# KiCad board Lab2_Final .kicad_pcb
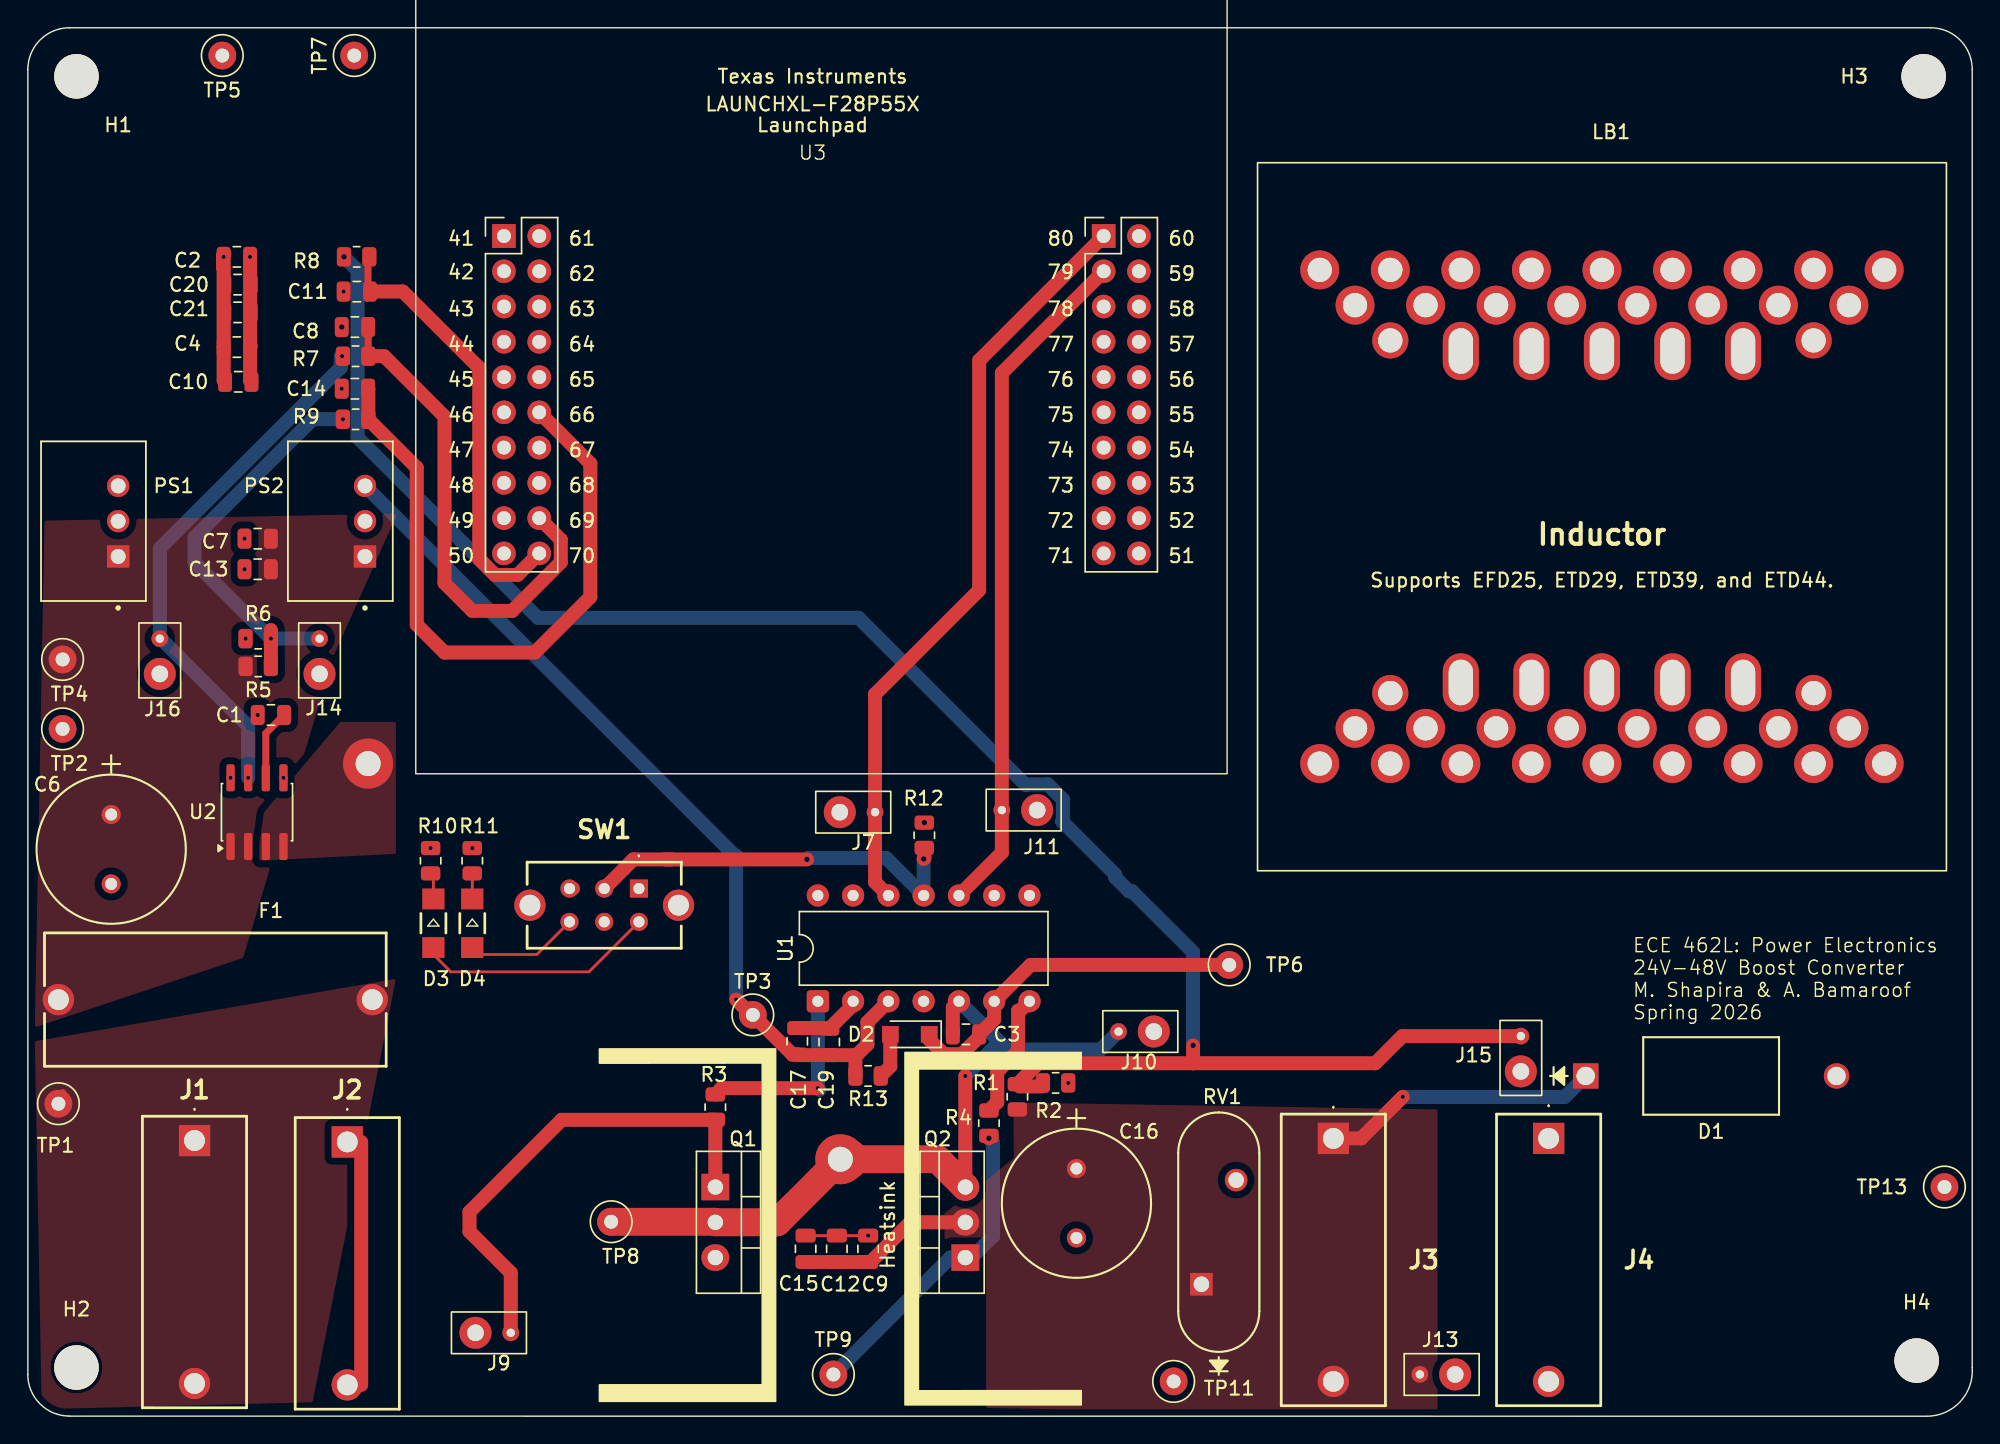
[diagram p0: board, top side]
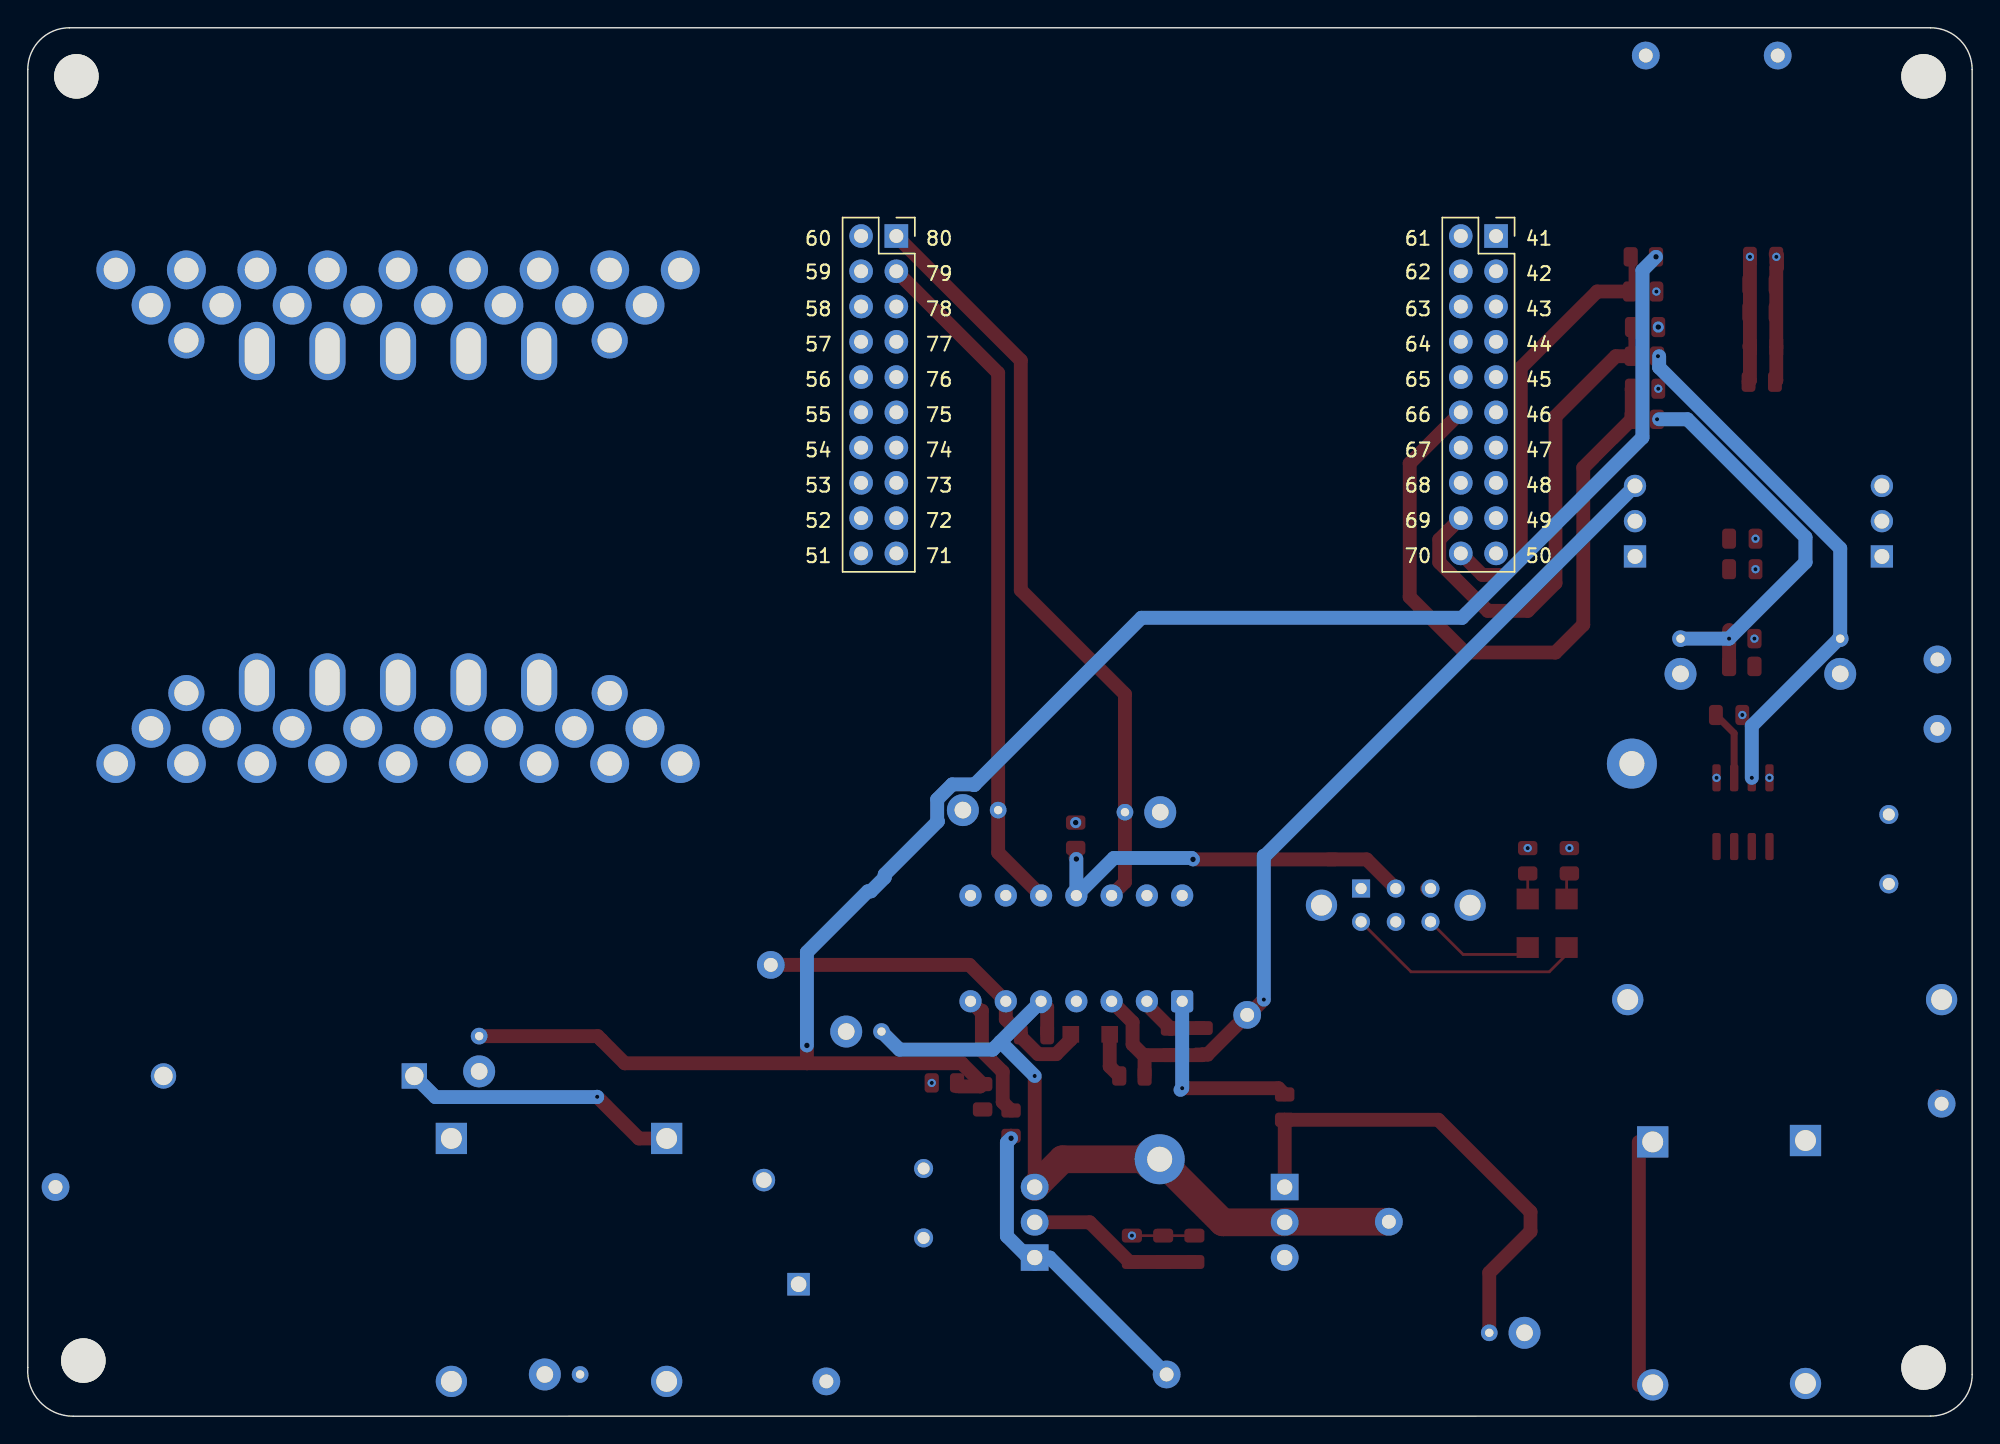
[diagram p1: board, bottom side, seen from below]

Outline 140.01 x 100.01 mm; copper layers: Top, In1.Cu, In2.Cu, Bottom. Coordinates in mm from the lower left corner of the outline.
Outline path: 0.01,3.01 0.01,97.01 arc(0.88,99.13) 3.01,100.01 137.01,100.01 arc(139.13,99.13) 140.01,97.01 140.01,3.51 arc(139.14,1.04) 136.74,0 3.01,0.01 arc(0.88,0.89) 0,3.01
Stack: Top 0.035mm / dielectric 0.1mm FR4 er 4.5 / In1.Cu 0.035mm / dielectric 1.24mm FR4 er 4.5 / In2.Cu 0.035mm / dielectric 0.1mm FR4 er 4.5 / Bottom 0.035mm

## Placement (name value [footprint] x y rotation side)
C1  100pF  [C_0805_2012Metric]  17.51 50.51 180 top
C2  0.1μF  [C_0805_2012Metric]  15.06 83.51 0 top
C3  4.7μF  [C_0805_2012Metric]  67.56 27.51 180 top
C4  0.1μF  [C_0805_2012Metric]  15.06 77.01 0 top
C6  100uF  [16PX2200MEFC10X20]  6.01 43.34 270 top
C7  10uF  [C_0805_2012Metric]  16.56 63.21 180 top
C8  100pF  [C_0805_2012Metric]  23.56 78.45 180 top
C9  0.01μF  [C_0805_2012Metric]  60.51 12.06 90 top
C10  10uF  [C_0805_2012Metric]  15.16 74.51 0 top
C11  100pF  [C_0805_2012Metric]  23.69 81.01 180 top
C12  0.1μF  [C_0805_2012Metric]  58.26 12.06 90 top
C13  10uF  [C_0805_2012Metric]  16.56 61.01 180 top
C14  100pF  [C_0805_2012Metric]  23.56 74.01 180 top
C15  1μF  [C_0805_2012Metric]  56.01 12.06 90 top
C16  100uF  [16PX2200MEFC10X20]  75.51 17.84 270 top
C17  10uF  [C_0805_2012Metric]  55.41 27.01 90 top
C19  1μF  [C_0805_2012Metric]  57.71 26.96 90 top
C20  0.1μF  [C_0805_2012Metric]  15.11 81.51 0 top
C21  1μF  [C_0805_2012Metric]  15.11 79.51 0 top
D1  D_Zener  [1.5KE75A]  112.17 24.51 0 top
D2  PMEG10020ELR  [Nexperia_CFP3_SOD-123W]  63.51 27.51 180 top
D3  RED LED  [WL-SMRW_1206_REC]  29.21 35.51 270 top
D4  GREEN LED  [WL-SMRW_1206_REC]  32.01 35.51 270 top
F1  Fuse  [696108003002]  13.51 30.01 180 top
H1  MountingHole  [MountingHole_3.2mm_M3]  3.51 96.51 0 top
H2  MountingHole  [MountingHole_3.2mm_M3]  3.51 3.51 0 top
H3  MountingHole  [MountingHole_3.2mm_M3]  136.51 96.51 0 top
H4  MountingHole  [MountingHole_3.2mm_M3]  136.01 4.01 0 top
HS1  Heatsink  [HSS-B20-NPS-01]  69.51 13.51 270 top
HS2  Heatsink  [HSS-B20-NPS-01]  47.51 13.76 90 top
J1  -  [973582101]  12.01 19.86 270 top
J2  -  [973582100]  23.01 19.76 270 top
J3  -  [973582101]  94.01 20.01 270 top
J4  -  [973582100]  109.51 20.01 270 top
J5  Conn_01x01  [Inductor_wire_conn]  58.51 18.51 0 top
J6  Conn_01x01  [Inductor_wire_conn]  24.51 47.01 0 top
J7  Conn_01x02  [TP]  59.74 43.51 180 top
J9  Conn_01x02  [TP]  33.51 6.01 180 top
J10  Conn_01x02  [TP]  79.81 27.71 0 top
J11  Conn_01x02  [TP]  71.41 43.66 0 top
J13  Conn_01x02  [TP]  101.51 3.01 0 top
J14  Conn_01x02  [TP]  21.01 54.74 270 top
J15  Conn_01x02  [TP]  107.51 26.11 270 top
J16  Conn_01x02  [TP]  9.51 54.74 270 top
LB1  ~  [InductorBobbin]  113.35 64.79 0 top
PS1  -  [R-78K3.3-1.0]  4.73 64.47 90 top
PS2  -  [R-78K12-0.5]  22.51 64.47 90 top
Q1  NMOS  [TO-220-3_Vertical]  49.51 16.51 270 top
Q2  NMOS  [TO-220-3_Vertical]  67.51 11.43 90 top
R1  82.5k  [R_0805_2012Metric]  71.26 23.01 90 top
R2  3.3k  [R_0805_2012Metric]  74.01 24.01 0 top
R3  1  [R_0805_2012Metric]  49.51 22.26 90 top
R4  1  [R_0805_2012Metric]  69.21 21.11 90 top
R5  30.1k  [R_0805_2012Metric]  16.59 54.01 0 top
R6  3.3k  [R_0805_2012Metric]  16.59 56.01 180 top
R7  3.3k  [R_0805_2012Metric]  23.61 76.35 180 top
R8  3.3k  [R_0805_2012Metric]  23.68 83.51 180 top
R9  3.3k  [R_0805_2012Metric]  23.61 71.81 180 top
R10  3.3k  [R_0805_2012Metric]  29.01 40.01 90 top
R11  3.3k  [R_0805_2012Metric]  32.01 40.01 90 top
R12  3.3k  [R_0805_2012Metric]  64.55 41.85 90 top
R13  6  [R_0805_2012Metric]  60.51 24.51 180 top
RV1  Varistor  [V100ZA15P]  84.51 9.51 90 top
SW1  SW_Push_DPDT  [SLW1116297AD]  44.01 38.01 180 top
TP1  TestPoint  [TestPoint_Loop_D1.80mm_Drill1.0mm_Beaded]  2.21 22.51 0 top
TP2  TestPoint  [TestPoint_Loop_D1.80mm_Drill1.0mm_Beaded]  2.51 49.51 0 top
TP3  TestPoint  [TestPoint_Loop_D1.80mm_Drill1.0mm_Beaded]  52.21 28.91 0 top
TP4  TestPoint  [TestPoint_Loop_D1.80mm_Drill1.0mm_Beaded]  2.51 54.51 0 top
TP5  TestPoint  [TestPoint_Loop_D1.80mm_Drill1.0mm_Beaded]  14.01 98.01 90 top
TP6  TestPoint  [TestPoint_Loop_D1.80mm_Drill1.0mm_Beaded]  86.51 32.51 0 top
TP7  TestPoint  [TestPoint_Loop_D1.80mm_Drill1.0mm_Beaded]  23.51 98.01 90 top
TP8  TestPoint  [TestPoint_Loop_D1.80mm_Drill1.0mm_Beaded]  42.01 14.01 0 top
TP9  TestPoint  [TestPoint_Loop_D1.80mm_Drill1.0mm_Beaded]  58.01 3.01 0 top
TP11  TestPoint  [TestPoint_Loop_D1.80mm_Drill1.0mm_Beaded]  82.51 2.51 0 top
TP13  TestPoint  [TestPoint_Loop_D1.80mm_Drill1.0mm_Beaded]  138.01 16.51 0 top
U1  IR2010  [DIP-14_W7.62mm]  56.89 29.89 90 top
U2  CT416-HSN820DR  [SOIC-8_3.9x4.9mm_P1.27mm]  16.51 43.51 90 top
U3  -  [LAUNCHXL-F28P55X_BottomHalf]  57.15 105.33 0 top

## Library data of the parts
C1 C2 C7 C8 C10 C11 C13 C14 C17 = -: Description: Unpolarized capacitor, small symbol; ki_fp_filters: C_*
C3 = -: Description: Cboot; ki_fp_filters: C_*
C4 = -: Description: Cbypass; ki_fp_filters: C_*
C6 C16 = -: Description: Polarized capacitor, US symbol; ki_fp_filters: CP_*
C9 C12 C15 C19-C21 = -: ki_fp_filters: C_*
D1 = -: ki_fp_filters: TO-???* *_Diode_* *SingleDiode* D_*
D2 = -: Datasheet: kicad-embed://PMEG10020ELR.pdf; Description: boostrap diode; ki_fp_filters: Nexperia*CFP3*SOD?123W*
D3 = -: Description: SHUTDOWN; ki_fp_filters: LED* LED_SMD:* LED_THT:*
D4 = -: Description: SWITCHING; ki_fp_filters: LED* LED_SMD:* LED_THT:*
F1 = -: ki_fp_filters: *Fuse*
H1-H4 = -: Description: Mounting Hole without connection; ki_fp_filters: MountingHole*
HS1 HS2 = -: Datasheet: kicad-embed://hss-b20-npx-01.pdf; ki_fp_filters: Heatsink_*
J1 J3 = -: Description: Generic connector, single row, 01x01, script generated (kicad-library-utils/schlib/autogen/connector/); Color: RED; ki_fp_filters: Connector*:*_1x??_*
J2 J4 = -: Description: Generic connector, single row, 01x01, script generated (kicad-library-utils/schlib/autogen/connector/); Color: BLACK; ki_fp_filters: Connector*:*_1x??_*
J5 J6 = -: Description: Generic connector, single row, 01x01, script generated (kicad-library-utils/schlib/autogen/connector/); ki_fp_filters: Connector*:*_1x??_*
J7 J9-J11 J13-J16 = -: Description: Generic connector, single row, 01x02, script generated (kicad-library-utils/schlib/autogen/connector/); ki_fp_filters: Connector*:*_1x??_*
PS1 = -: Datasheet: kicad-embed://R-78K-1.0.pdf; PARTREV: 6; STANDARD: Manufacturer Recommendations; MAXIMUM_PACKAGE_HEIGHT: 10.40mm; MANUFACTURER: RECOM
PS2 = -: Datasheet: kicad-embed://R-78K-0.5.pdf; ki_fp_filters: R-78E-0.5_RCP
Q1 Q2 = -: Description: N-MOSFET transistor, gate/drain/source; Sim.Type: VDMOS; Sim.Pins: 1=D 2=G 3=S
R1 R2 R5 R6 R10 R11 = -: ki_fp_filters: R_*
R3 R4 = -: Description: gate resistor; ki_fp_filters: R_*
R7-R9 R12 R13 = -: Description: Resistor, small symbol; ki_fp_filters: R_*
RV1 = -: Sim.Name: kicad_builtin_varistor; Sim.Device: SUBCKT; Sim.Pins: 1=A 2=B; Sim.Params: threshold=1k; ki_fp_filters: RV_* Varistor*
TP1-TP9 TP11 TP13 = -: ki_fp_filters: Pin* Test*
U1 = -: Datasheet: kicad-embed://infineon-ir2010-ds-en.pdf; Description: High and Low Side Driver, 200V, 3.0/3.0A, PDIP-14; ki_fp_filters: DIP*W7.62mm*
U2 = -: Datasheet: kicad-embed://CT416-Datasheet.pdf

## Footprints (pads in the part's own frame, mm; a bottom-side part is the same pattern mirrored in y, then rotated)
1.5KE75A
  rect 1.829x1.829 hole 1.321: 1(0,0)
  round 1.829 hole 1.321: 2(18.059,0)
16PX2200MEFC10X20
  round 1.372 hole 0.864: 1(0,0) 2(5,0)
973582100
  rect 2.25x2.25 hole 1.5: 1(0,0)
  round 2.25 hole 1.5: 1(17.5,0)
973582101
  rect 2.25x2.25 hole 1.5: 1(0,0)
  round 2.25 hole 1.5: 1(17.5,0)
696108003002
  round 2.25 hole 1.5: 1(-11.3,0) 2(11.3,0)
C_0805_2012Metric
  rrect 1x1.45 smd: 1(-0.95,0) 2(0.95,0)
DIP-14_W7.62mm
  rrect 1.6x1.6 hole 0.8: 1(0,0)
  round 1.6 hole 0.8: 2(0,-2.54) 3(0,-5.08) 4(0,-7.62) 5(0,-10.16) 6(0,-12.7) 7(0,-15.24) 8(7.62,-15.24) 9(7.62,-12.7) 10(7.62,-10.16) 11(7.62,-7.62) 12(7.62,-5.08) 13(7.62,-2.54) 14(7.62,0)
Inductor_wire_conn
  round 3.6 hole 1.8: 1(0,0)
InductorBobbin
  round 2.8 hole 1.75: (-20.32,17.78) (-20.32,-17.78) (-17.78,15.24) (-17.78,-15.24) (-15.24,17.78) (-15.24,-17.78) (-12.7,15.24) (-12.7,-15.24) (-10.16,17.78) (-10.16,-17.78) (-7.62,15.24) (-7.62,-15.24) (-5.08,17.78) (-5.08,-17.78) (-2.54,15.24) (-2.54,-15.24) (0,17.78) (0,-17.78) (2.54,15.24) (2.54,-15.24) (5.08,17.78) (5.08,-17.78) (7.62,15.24) (7.62,-15.24) (10.16,17.78) (10.16,-17.78) (12.7,15.24) (12.7,-15.24) (15.24,17.78) (15.24,-17.78) (17.78,15.24) (17.78,-15.24) (20.32,17.78) (20.32,-17.78)
  round 2.6 hole 1.75: (-15.24,12.7) (-15.24,-12.7) (15.24,12.7) (15.24,-12.7)
  oval 2.6x4.2 hole 1.75x3.28: (-10.16,11.938) (-10.16,-11.938) (-5.08,11.938) (-5.08,-11.938) (0,11.938) (0,-11.938) (5.08,11.938) (5.08,-11.938) (10.16,11.938) (10.16,-11.938)
LAUNCHXL-F28P55X_BottomHalf
  rect 1.7x1.7 hole 1: 41(-22.86,-20.32) 80(20.32,-20.32)
  oval 1.7x1.7 hole 1: 42(-22.86,-22.86) 43(-22.86,-25.4) 44(-22.86,-27.94) 45(-22.86,-30.48) 46(-22.86,-33.02) 47(-22.86,-35.56) 48(-22.86,-38.1) 49(-22.86,-40.64) 50(-22.86,-43.18) 51(22.86,-43.18) 52(22.86,-40.64) 53(22.86,-38.1) 54(22.86,-35.56) 55(22.86,-33.02) 56(22.86,-30.48) 57(22.86,-27.94) 58(22.86,-25.4) 59(22.86,-22.86) 60(22.86,-20.32) 61(-20.32,-20.32) 62(-20.32,-22.86) 63(-20.32,-25.4) 64(-20.32,-27.94) 65(-20.32,-30.48) 66(-20.32,-33.02) 67(-20.32,-35.56) 68(-20.32,-38.1) 69(-20.32,-40.64) 70(-20.32,-43.18) 71(20.32,-43.18) 72(20.32,-40.64) 73(20.32,-38.1) 74(20.32,-35.56) 75(20.32,-33.02) 76(20.32,-30.48) 77(20.32,-27.94) 78(20.32,-25.4) 79(20.32,-22.86)
MountingHole_3.2mm_M3
  round 3.2 hole 3.2 unplated: (0,0)
Nexperia_CFP3_SOD-123W
  rect 1.2x1.2 smd: 1(-1.4,0) 2(1.4,0)
R-78K3.3-1.0
  rect 1.605x1.605 hole 1.07: 1(-2.54,-1.775)
  round 1.605 hole 1.07: 2(0,-1.775) 3(2.54,-1.775)
R-78K12-0.5
  rect 1.605x1.605 hole 1.07: 1(-2.54,-1.775)
  round 1.605 hole 1.07: 2(0,-1.775) 3(2.54,-1.775)
R_0805_2012Metric
  rrect 1.025x1.4 smd: 1(-0.912,0) 2(0.912,0)
SLW1116297AD
  round 2.25 hole 1.5: (-2.85,1.2) (7.85,1.2)
  rect 1.3x1.3 hole 0.8: 1(0,0)
  round 1.3 hole 0.8: 2(2.5,0) 3(5,0) 4(5,2.4) 5(2.5,2.4) 6(0,2.4)
SOIC-8_3.9x4.9mm_P1.27mm
  rrect 1.95x0.6 smd: 1(-2.475,1.905) 2(-2.475,0.635) 3(-2.475,-0.635) 4(-2.475,-1.905) 5(2.475,-1.905) 6(2.475,-0.635) 7(2.475,0.635) 8(2.475,1.905)
TestPoint_Loop_D1.80mm_Drill1.0mm_Beaded
  round 2 hole 1: 1(0,0)
TO-220-3_Vertical
  rect 1.905x2 hole 1.1: 1(0,0)
  oval 1.905x2 hole 1.1: 2(2.54,0) 3(5.08,0)
TP
  round 2.3 hole 1.2: 1(1.27,0)
  round 1.2 hole 0.6: 2(-1.27,0)
V100ZA15P
  rect 1.626x1.626 hole 1.118: 1(0,0)
  round 1.626 hole 1.118: 2(7.5,-2.5)
WL-SMRW_1206_REC
  rect 1.5x1.6 smd: 1(-1.75,0) 2(1.75,0)

## Nets
+3.3V: C2.1 C4.1 C10.1 C20.1 C21.1 PS1.3 R12.2 SW1.1 SW1.5 TP5.1 U1.9 U2.8 U3.41
+12V: C17.1 C19.1 PS2.3 R13.2 TP3.1 U1.3
GND: C1.2 C2.2 C4.2 C6.2 C7.2 C8.2 C9.2 C10.2 C11.2 C12.2 C13.2 C14.2 C15.2 C16.2 C17.2 C19.2 C20.2 C21.2 D1.2 J2.1 J4.1 J7.1 J9.1 J10.1 J11.1 J13.1 J14.1 J15.1 J16.1 PS1.2 PS2.2 Q1.3 R2.2 R6.2 R10.2 R11.2 RV1.2 SW1.3 TP2.1 TP7.1 TP11.1 TP13.1 U1.2 U1.13 U2.5 U3.60 U3.62
Vin: C6.1 C7.1 C13.1 F1.2 PS1.1 PS2.1 R5.1 TP4.1 U2.1 U2.2
Vin_sens: J14.2 R5.2 R6.1 R9.2
Vin_Unfused: F1.1 J1.1 TP1.1
/ADCINA0: C11.1 R8.1 U3.70
/ADCINA4: C14.1 R9.1 U3.66
/ADCINA12: C8.1 R7.1 U3.69
/L_in: J6.1 U2.3 U2.4
C2000 D : J7.2 U1.12 U3.80
C2000 D': J11.2 U1.10 U3.79
D: J9.2 Q1.1 R3.1
D': Q2.1 R4.1 TP9.1
I_L: J16.2 R7.2 U2.7
SD: R12.1 SW1.2 U1.11
Vboot: C3.1 D2.1 TP6.1 U1.6
Vout: C9.1 C12.1 C15.1 C16.1 D1.1 J3.1 J13.2 Q2.2 R1.1 RV1.1
Vout_sens: J15.2 R1.2 R2.1 R8.2
Vsw: C3.2 J5.1 J10.2 Q1.2 Q2.3 TP8.1 U1.5
Net-(D2-A): D2.2 R13.1
Net-(D3-A): D3.2 SW1.6
Net-(D3-K): D3.1 R10.1
Net-(D4-A): D4.2 SW1.4
Net-(D4-K): D4.1 R11.1
Net-(U1-HO): R4.2 U1.7
Net-(U1-LO): R3.2 U1.1
Net-(U2-FILTER): C1.1 U2.6

Pads without a net: U1 4 8 14; U3 42 43 44 45 46 47 48 49 50 51 52 53 54 55 56 57 58 59 61 63 64 65 67 68 71 72 73 74 75 76 77 78

## Via types
v1: diameter 0.6, hole 0.3, Top to Bottom, 22 vias
v2: diameter 0.8, hole 0.4, Top to Bottom, 7 vias

## Routing (per net, layer and track width the routed paths; a pad name or vN(x,y) marks a point on that pad's centre or on a via; arc(x,y) is an arc through that point)
+3.3V: length 13.1
  Top w0.2: 43.91,38.01 SW1.1 44.26,38.01
  Top w1: 14.16,83.7 14.05,83.6 14.05,82.77 14.11,82.72 C4.1 14.11,74.61 C10.1
  In1.Cu w1: SW1.1 41.61,35.61 SW1.5
  vias: v1(14.11,83.51) v1(14.6,45.98) v2(64.55,42.76)
+12V: length 64.8
  Top w1: v1(51.01,30.01) 52.11,28.91 TP3.1 55.06,26.06 C17.1 55.46,26.01 C19.1 59.51,26.01 59.59,25.92 ; U1.3 60.46,28.38 60.46,26.78 59.59,25.92 ; 59.59,25.92 R13.2
  Bottom w1: PS2.3 50.93,40.36 51.01,40.36 v1(51.01,30.01)
GND: length 54
  Top w0.2: C15.2 v1(60.51,13.01)
  Top w1: 16.06,77.06 C4.2 ; C4.2 v1(16.01,83.51) ; C4.2 16.01,74.61 C10.2 ; U1.2 59.43,29.63 C19.2 57.66,27.96 C17.2 ; 24.01,19.76 24.01,2.26 ; SW1.3 39.26,38.01
  In2.Cu w1: C16.2 72.44,9.78 63.74,9.78 v1(60.51,13.01)
  vias: v1(15.61,63.21) v1(15.61,61.01) v1(15.68,56.01) v1(16.56,50.51) v1(18.41,45.98) v1(22.61,74.01) v1(22.74,81.01) v1(29.01,40.92) v1(32.01,40.92) v1(74.92,24.01) v2(22.61,78.45)
Vin_sens: length 29.8
  Top w1: R5.2 v1(17.51,56.01) 17.51,56.63
  Bottom w1: J14.2 v1(17.51,56.01) 12.01,61.51 12.01,63.31 20.5,71.81 22.54,71.81
  vias: v1(22.69,71.81)
Vin_Unfused: length 0.9
  Top w0.5: 2.51,23.31 2.51,22.81 TP1.1
/ADCINA0: length 31.6
  Top w0.5: 24.51,81.51 24.49,81.52 24.49,83.71
  Top w1: C11.1 27.01,81.01 32.51,75.51 32.51,61.74 33.64,60.6 35.27,60.6 U3.70
/ADCINA4: length 48.3
  Top w1: U3.66 40.51,68.63 40.51,59.01 36.51,55.01 30.01,55.01 28.01,57.01 28.01,68.32 R9.1 24.52,74 C14.1
/ADCINA12: length 35.9
  Top w0.5: R7.1 24.51,76.36 C8.1
  Top w1: R7.1 25.66,76.35 30.01,72.01 30.01,60.01 32.01,58.01 34.88,58.01 38.38,61.51 38.38,63.14 U3.69
C2000 D : length 54.7
  Top w1: U1.12 61.01,38.47 J7.2 61.01,52.01 68.51,59.51 68.51,76.05 U3.80
C2000 D': length 49.3
  Top w1: U3.79 70.14,75.14 J11.2 70.14,40.6 U1.10
D: length 35.2
  Top w1: Q1.1 R3.1 38.44,21.35 31.8,14.71 31.8,13.3 34.78,10.33 J9.2
D': length 23.2
  Top w1: R4.1 v2(69.21,20.02)
  Bottom w1: v2(69.21,20.02) 69.51,19.72 69.51,12.97 67.51,10.97 ; Q2.1 66.43,11.43 TP9.1
I_L: length 38.5
  Top w1: R7.2 v1(22.63,76.35)
  Bottom w1: 22.54,76.35 22.54,75.55 9.51,62.51 J16.2 9.58,56.01 15.87,49.72 v1(15.87,45.98)
SD: length 29
  Top w1: v2(64.51,40.14) 64.55,40.19 64.55,40.93 ; v2(56.11,40.11) 45.86,40.11 ; 46.36,40.11 43.61,40.11 SW1.2
  Bottom w1: v2(56.11,40.11) 56.21,40.21 61.81,40.21 U1.11 v2(64.51,40.14)
Vboot: length 25.9
  Top w1: TP6.1 72.21,32.51 U1.6 69.59,28.59 C3.1 68.51,27.33 67.26,26.08 65.95,26.08 64.91,27.13 D2.1
Vout: length 32.7
  Top w1: C15.1 60.68,11.11 63.54,13.97 Q2.2 ; v1(99.01,23.01) 96.01,20.01 J3.1
  Bottom w1: D1.1 110.65,22.99 99.03,22.99 v1(99.01,23.01)
Vout_sens: length 137.9
  Top w0.5: v2(22.77,83.51) 22.59,83.68 22.59,83.71
  Top w1: J15.2 98.97,27.38 98.7,27.11 97.02,25.42 83.91,25.42 ; 83.91,25.42 72.76,25.42 R1.2 71.42,23.76 73.09,23.76 ; 83.91,25.42 v2(83.91,26.71)
  Bottom w1: v2(22.77,83.51) 23.74,82.53 23.74,70.5 36.73,57.51 59.82,57.51 71.86,45.46 71.91,45.51 73.44,45.51 74.53,44.43 74.53,42.89 74.48,42.84 78.3,39.02 78.3,38.8 79.3,37.81 79.52,37.81 83.91,33.42 v2(83.91,26.71)
Vsw: length 56.6
  Top w1: C3.2 66.61,29.45 U1.5 ; v1(67.51,24.51) Q2.3
  Top w2: Q2.3 65.51,18.51 J5.1 53.97,13.97 Q1.2 49.47,14.01 TP8.1
  Top w3: J5.1 59.01,18.51
  Bottom w1: J10.2 77.23,26.41 70.53,26.41 69.97,26.97 ; 67.01,29.53 67.05,29.57 U1.5 69.97,26.97 ; 69.97,26.97 v1(67.51,24.51)
Net-(D2-A): length 3.3
  Top w1: D2.2 62.11,25.2 R13.1
Net-(D3-A): length 16.8
  Top w0.2: 29.21,33.26 30.46,32.01 40.41,32.01 SW1.6
Net-(D3-K): length 2.4
  Top w0.2: 29.21,36.76 29.21,38.9 R10.1
Net-(D4-A): length 8
  Top w0.2: 32.01,33.26 36.66,33.26 SW1.4
Net-(D4-K): length 2.4
  Top w0.2: 31.81,39.1 32.01,38.9 32.01,36.76
Net-(U1-HO): length 9.2
  Top w1: R4.2 69.81,22.62 69.81,24.81 71.31,26.31 71.31,29.21 71.45,29.21 U1.7
Net-(U1-LO): length 14
  Top w1: v1(56.89,23.63) 49.96,23.63 R3.2
  Bottom w1: U1.1 v1(56.89,23.63) 57.01,23.51
Net-(U2-FILTER): length 5.1
  Top w0.5: U2.6 17.14,49.19 C1.1

## Copper pours and planes (outline as drawn; the poured copper is in the pictures)
+3.3V on In1.Cu: 1.51,99.01 82.51,99.51 82.01,34.51 1.51,34.01
GND on In2.Cu: 1.01,99.01 -0.49,0.51 139.01,0.51 140.01,99.51
Vin on Top: 26.61,65.01 22.01,54.74 15.51,33.01 0.51,28.01 1.21,64.51
Vin_Unfused on Top: 26.51,31.51 0.51,27.01 1.01,0.51 20.51,1.01
/L_in on Top: 17.01,43.51 16.51,40.01 26.51,40.51 26.51,50.01 22.51,50.01
Vout on Top: 70.96,22.6 101.51,22.1 101.51,0.01 69.01,0.6 69.01,12.6 66.01,12.6 66.01,14.6 71.01,18.6

## Text on the board
F.Silkscreen: ECE 462L: Power Electronics / 24V-48V Boost Converter / M. Shapira & A. Bamaroof / Spring 2026
User.2: PCB MAX SIZE REFERENCE (actual board edge is grey: Edge.Cuts)
